# Altium PCB Zynq-Video-Board.PcbDoc (part 2 of 7) (continued)
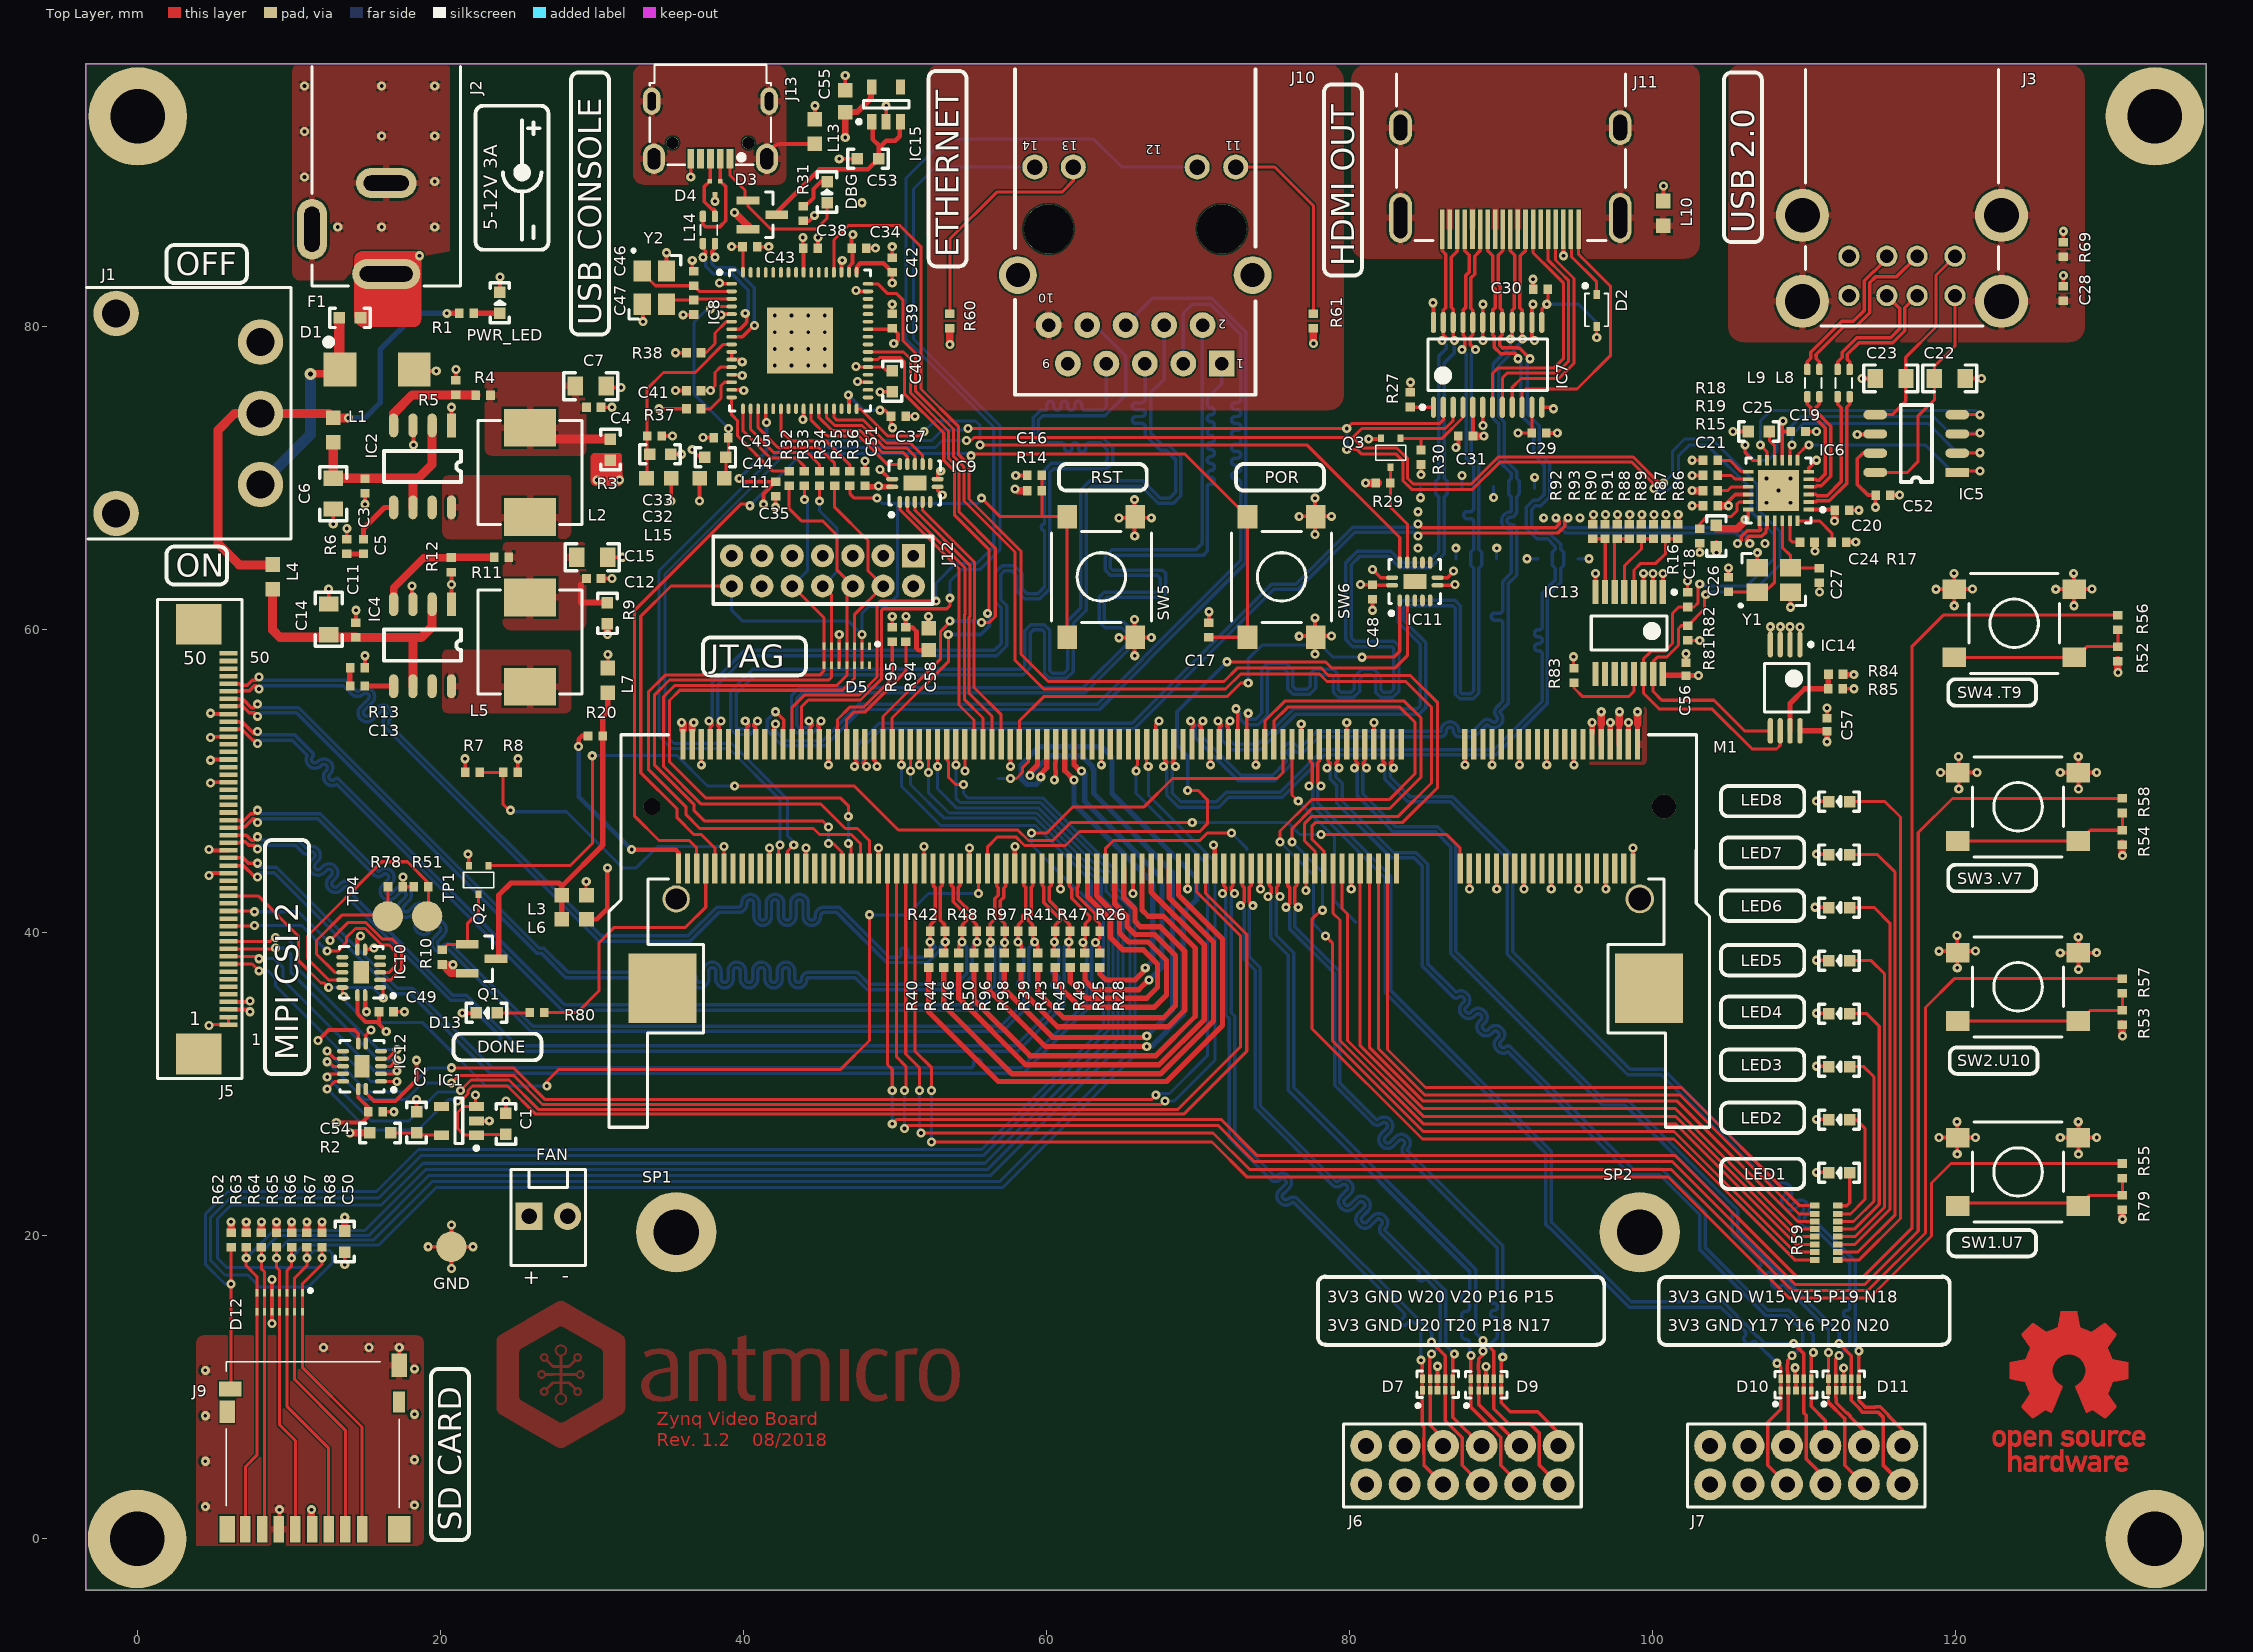
[diagram p0: Top Layer view]
## Nets (pads, with @x,y where several pads share a name; then routed paths per layer and width w, separated by ;. In a path a pad name is that pad's centre, name@x,y a point inside that pad or via, vN(x,y) a via of type N, cw(c..) or ccw(c..) an arc to the next point about the centre after c; other vN are vias at no path point) (continued)
  Bottom Layer w0.23: v1(79.35,50.9) 79.125,50.675 79.125,50.3 79.55,49.875 79.55,48.7 82.95,45.3 84.445,45.3 85.2,44.545 85.2,37.95 87.07,36.08 cw(c87.383,35.64) 87.765,36.022 87.822,35.964 cw(c87.441,35.583) 87.98,35.583 cw(c87.441,35.583) 87.822,35.201 87.701,35.08 ccw(c87.835,34.946) 87.701,34.812 87.758,34.755 ccw(c87.892,34.889) 88.026,34.755 88.147,34.876 cw(c88.529,34.495) 88.91,34.876 88.968,34.819 cw(c88.586,34.437) 89.126,34.437 cw(c88.586,34.437) 88.968,34.056 88.847,33.935 ccw(c88.981,33.801) 88.847,33.667 88.904,33.61 ccw(c89.038,33.744) 89.172,33.61 89.293,33.731 cw(c89.674,33.349) 90.056,33.731 90.113,33.673 cw(c89.732,33.292) 90.271,33.292 cw(c89.732,33.292) 90.113,32.91 89.992,32.789 ccw(c90.126,32.655) 89.992,32.521 90.049,32.464 ccw(c90.183,32.598) 90.317,32.464 cw(c90.502,32.28) 90.686,32.464 98.75,24.4 100.645,24.4 103.5,21.545 103.5,19.25 107.65,15.1 109.045,15.1 110.65,13.495 v1(110.65,12.3)
CN_C3_N: D11.1 J7.8 M1.51 | length 66.9
  Top Layer w0.23: v1(80.35,50.9) 80.575,51.125 80.575,51.2 80.441,51.334 M1.51@80.441,52.449 ; v1(111.65,12.3) D11.1@111.65,10.585 D11.1@111.65,9.815 111.65,9.005 112.681,7.974 112.724,7.974 112.724,4.866 J7.8@113.99,3.6
  Bottom Layer w0.22: 107.111,18.387 cw(c106.905,18.182) 107.111,17.977 ccw(c107.33,17.758) 107.111,17.538 ccw(c107.33,17.758) 107.549,17.538 cw(c107.754,17.333) 107.959,17.538 ; 107.987,17.51 cw(c107.782,17.305) 107.987,17.1 ccw(c108.207,16.881) 107.987,16.662 ccw(c108.207,16.881) 108.426,16.662 cw(c108.631,16.457) 108.836,16.662
  Bottom Layer w0.23: v1(80.35,50.9) 80.56,50.69 80.56,49.037 82.68,46.917 82.68,46.875 82.885,46.67 85.718,46.67 86.7,45.688 86.7,38.655 96.711,28.644 98.211,28.644 105.3,21.555 105.3,20.155 105.505,19.95 105.547,19.95 107.111,18.387 ; 107.938,17.517 107.966,17.489 ; 108.815,16.64 111.65,13.805 v1(111.65,12.3)
CN_C3_P: D11.4 J7.7 M1.49 | length 67.1
  Top Layer w0.23: M1.49@81.041,52.449 81.041,51.334 80.925,51.218 80.925,51.125 v1(81.15,50.9) ; v1(112.35,12.9) 113.15,12.1 113.15,11.513 113.165,11.498 113.165,11.072 113.15,11.057 D11.4@113.15,10.585 D11.4@113.15,9.815 113.15,9.147 113.7,8.597 113.7,8.555 113.905,8.35 114.887,8.35 114.917,8.38 115.25,8.047 115.25,6.669 115.255,6.664 115.255,5.616 115.25,5.611 115.25,4.88 J7.7@116.53,3.6
  Bottom Layer w0.23: v1(81.15,50.9) 80.91,50.66 80.91,49.182 83.03,47.062 83.03,47.02 85.863,47.02 87.05,45.833 87.05,38.8 96.856,28.994 98.356,28.994 105.65,21.7 105.65,20.3 105.692,20.3 107.281,18.712 107.283,18.712 107.359,18.636 107.363,18.64 107.504,18.499 107.504,18.446 108.018,17.932 108.071,17.932 108.212,17.791 108.208,17.787 108.236,17.759 108.24,17.763 108.38,17.623 108.38,17.57 108.895,17.055 108.948,17.055 109.089,16.914 109.085,16.91 109.161,16.834 109.161,16.796 109.188,16.769 109.188,16.762 112.35,13.6 v1(112.35,12.9)
CN_C4_N: D11.2 J7.2 M1.45 | length 66.4
  Top Layer w0.23: v1(82.15,50.9) 82.375,51.125 82.375,51.2 82.241,51.334 M1.45@82.241,52.449 ; v1(112.35,12.1) 112.14,11.89 112.14,11.503 112.135,11.498 112.135,11.072 112.14,11.067 112.14,9.31 112.15,9.3 112.15,9 112.826,8.324 112.869,8.324 113.074,8.119 113.074,8.076 113.99,7.16 J7.2@113.99,6.14
  Bottom Layer w0.23: v1(82.15,50.9) 82.375,50.675 82.375,50.155 83.88,48.65 86.7,48.65 90.45,44.9 90.45,38.605 98.405,30.65 100.6,30.65 108.137,23.113 ccw(c108.321,23.297) 108.506,23.113 cw(c108.64,22.979) 108.774,23.113 108.831,23.056 cw(c108.697,22.922) 108.886,22.922 cw(c108.697,22.922) 108.831,22.788 108.71,22.667 ccw(c109.091,22.285) 108.71,21.904 108.767,21.846 ccw(c109.149,22.228) 109.53,21.846 109.651,21.967 cw(c109.785,21.833) 109.919,21.967 109.976,21.91 cw(c109.842,21.776) 110.032,21.776 cw(c109.842,21.776) 109.976,21.642 109.855,21.521 ccw(c110.237,21.14) 109.855,20.758 109.913,20.701 ccw(c110.294,21.082) 110.607,20.643 113.05,18.2 113.05,15.283 cw(c112.857,15.283) 112.857,15.09 ccw(c112.857,14.883) 112.65,14.883 112.65,14.837 ccw(c112.857,14.837) 112.857,14.63 cw(c112.857,14.437) 113.05,14.437 113.05,12.8 v1(112.35,12.1) v1@112.14,11.89
CN_C4_P: D11.5 J7.1 M1.43 | length 66.4
  Top Layer w0.23: M1.43@82.841,52.449 82.841,51.334 82.725,51.218 82.725,51.125 v1(82.95,50.9) ; v1(113.65,12.4) D11.5@113.65,10.585 D11.5@113.65,9.815 113.65,9.142 114.05,8.742 114.05,8.7 114.742,8.7 114.772,8.73 115.062,8.73 115.6,8.192 115.6,8.15 116.53,7.22 J7.1@116.53,6.14
  Bottom Layer w0.23: v1(82.95,50.9) 82.725,50.675 82.725,50.3 84.025,49 86.845,49 90.8,45.045 90.8,38.75 98.55,31 100.745,31 108.327,23.418 cw(c108.64,22.979) 109.021,23.36 109.078,23.303 cw(c108.697,22.922) 109.236,22.922 cw(c108.697,22.922) 109.078,22.54 108.957,22.419 ccw(c109.091,22.285) 108.957,22.151 109.015,22.094 ccw(c109.149,22.228) 109.283,22.094 109.404,22.215 cw(c109.785,21.833) 110.167,22.215 110.224,22.158 cw(c109.842,21.776) 110.382,21.776 cw(c109.842,21.776) 110.224,21.395 110.103,21.274 ccw(c110.237,21.14) 110.103,21.006 110.16,20.948 ccw(c110.294,21.082) 110.428,20.948 cw(c110.612,20.764) 110.797,20.948 113.4,18.345 113.4,12.65 v1(113.65,12.4)
DBG_USB_D_C_N: D4.1 J13.2 L14.4 | length 6.7
  Top Layer w0.23: L14.4@37.35,87.5 37.35,86.8 37.55,86.6 38.45,86.6 38.85,87 38.85,89.275 D4.1@38.5,89.625 J13.2@38.5,91.1
DBG_USB_D_C_P: D4.2 J13.3 L14.3 | length 4.2
  Top Layer w0.23: J13.3@37.85,91.1 37.85,89.675 D4.2@37.8,89.625 37.45,89.275 37.45,88.272 37.937,87.785 38.065,87.785 38.15,87.7 L14.3@38.15,87.4
DBG_USB_D_N: IC8.7 L14.1 | length 8.4
  Top Layer w0.23: L14.1@37.35,85.7 37.35,85.2 37.55,85 v1@37.55,84.817 ; IC8.7@39.25,79.85 39.75,79.85 ; 39.8,79.85 40.215,80.265 40.215,80.322 40.25,80.357 v1@40.25,80.8
  Bottom Layer w0.23: v1(37.35,84.6) 37.55,84.4 37.55,84 38.041,83.509 39.276,83.509 40.35,82.434 40.35,81.1 v1(40.15,80.9)
DBG_USB_D_P: IC8.8 L14.2 | length 9.1
  Top Layer w0.23: v1@37.95,84.817 37.95,85 38.15,85.2 L14.2@38.15,85.7 ; IC8.8@39.25,79.35 39.966,79.35 v1@40.65,80.034
  Bottom Layer w0.23: v1(38.15,84.6) 37.95,84.4 37.95,84.166 38.207,83.909 39.441,83.909 40.75,82.6 40.75,81.9 v1(40.75,80.1)
ETH_A_N: J10.2 M1.169 | length 65.5
  Top Layer w0.23: M1.169@45.041,52.449 45.041,53.564 44.925,53.68 44.925,53.775 v1(45.15,54)
  Bottom Layer w0.23: v1(45.15,54) 44.925,53.775 44.925,53.535 44.59,53.2 43.55,53.2 43.2,53.55 43.2,53.955 43.2,55.645 43.303,55.747 43.755,56.2 62.45,56.2 65.45,59.2 65.45,59.7 65,60.15 63.905,60.15 63.5,60.555 63.5,62.145 63.855,62.5 67.45,62.5 67.55,62.6 67.55,63.4 67.35,63.6 64.255,63.6 63.9,63.955 63.9,64.845 64.353,65.297 69.897,65.297 70.3,65.7 70.3,80.089 J10.2@70.335,80.124
ETH_A_P: J10.1 M1.171 | length 65.9
  Top Layer w0.23: v1(44.35,54) 44.575,53.775 44.575,53.698 44.441,53.564 M1.171@44.441,52.449
  Bottom Layer w0.23: v1(44.35,54) 44.575,53.775 44.575,53.68 44.445,53.55 43.695,53.55 43.55,53.695 43.55,55.5 43.9,55.85 62.595,55.85 65.8,59.055 65.8,59.845 65.145,60.5 64.05,60.5 63.85,60.7 63.85,62 64,62.15 67.7,62.15 67.9,62.35 67.9,63.75 67.7,63.95 64.4,63.95 64.25,64.1 64.25,64.7 64.497,64.947 70.397,64.947 70.65,65.2 70.65,69.5 cw(c70.76,69.5) 70.76,69.61 70.89,69.61 ccw(c70.89,69.84) 71.12,69.84 ccw(c70.89,69.84) 70.89,70.07 70.88,70.07 cw(c70.88,70.3) 70.65,70.3 cw(c70.88,70.3) 70.88,70.53 70.89,70.53 ccw(c70.89,70.76) 71.12,70.76 ccw(c70.89,70.76) 70.89,70.99 70.88,70.99 cw(c70.88,71.22) 70.65,71.22 cw(c70.88,71.22) 70.88,71.45 70.89,71.45 ccw(c70.89,71.68) 71.12,71.68 ccw(c70.89,71.68) 70.89,71.91 70.88,71.91 cw(c70.88,72.14) 70.65,72.14 cw(c70.88,72.14) 70.88,72.37 70.89,72.37 ccw(c70.89,72.6) 71.12,72.6 ccw(c70.89,72.6) 70.89,72.83 70.88,72.83 cw(c70.88,73.06) 70.65,73.06 cw(c70.88,73.06) 70.88,73.29 70.89,73.29 ccw(c70.89,73.52) 71.12,73.52 ccw(c70.89,73.52) 70.89,73.75 70.88,73.75 cw(c70.88,73.98) 70.65,73.98 cw(c70.88,73.98) 70.88,74.21 70.89,74.21 ccw(c70.89,74.44) 71.12,74.44 ccw(c70.89,74.44) 70.89,74.67 70.88,74.67 cw(c70.88,74.9) 70.65,74.9 70.65,75.3 71.605,76.255 J10.1@71.605,77.584
ETH_B_N: J10.6 M1.177 | length 65.7
  Top Layer w0.23: v1(42.15,54.6) 42.685,54.065 42.685,53.578 42.65,53.543 42.65,52.458 M1.177@42.641,52.449
  Bottom Layer w0.23: v1(42.15,54.6) 41.615,54.065 41.615,53.34 42.455,52.5 42.605,52.35 45.4,52.35 45.55,52.5 47.8,54.75 63.533,54.75 66.725,57.942 66.725,57.98 73.2,64.455 73.2,79.65 70.95,81.9 67.031,81.9 J10.6@65.255,80.124
ETH_B_P: J10.3 M1.179 | length 65.7
  Top Layer w0.23: M1.179@42.041,52.449 42.041,53.691 v1(42.15,53.8)
  Bottom Layer w0.23: v1(42.15,53.8) 42.15,53.3 42.75,52.7 45.255,52.7 47.655,55.1 63.388,55.1 66.375,58.087 66.375,58.125 72.85,64.6 72.85,69.72 ccw(c72.62,69.72) 72.62,69.95 72.48,69.95 cw(c72.48,70.18) 72.25,70.18 cw(c72.48,70.18) 72.48,70.41 72.62,70.41 ccw(c72.62,70.64) 72.85,70.64 ccw(c72.62,70.64) 72.62,70.87 72.48,70.87 cw(c72.48,71.1) 72.25,71.1 cw(c72.48,71.1) 72.48,71.33 72.62,71.33 ccw(c72.62,71.56) 72.85,71.56 ccw(c72.62,71.56) 72.62,71.79 72.48,71.79 cw(c72.48,72.02) 72.25,72.02 cw(c72.48,72.02) 72.48,72.25 72.62,72.25 ccw(c72.62,72.48) 72.85,72.48 ccw(c72.62,72.48) 72.62,72.71 72.48,72.71 cw(c72.48,72.94) 72.25,72.94 cw(c72.48,72.94) 72.48,73.17 72.62,73.17 ccw(c72.62,73.4) 72.85,73.4 ccw(c72.62,73.4) 72.62,73.63 72.48,73.63 cw(c72.48,73.86) 72.25,73.86 cw(c72.48,73.86) 72.48,74.09 72.62,74.09 ccw(c72.62,74.32) 72.85,74.32 ccw(c72.62,74.32) 72.62,74.55 72.48,74.55 cw(c72.48,74.78) 72.25,74.78 cw(c72.48,74.78) 72.48,75.01 72.62,75.01 ccw(c72.62,75.24) 72.85,75.24 72.85,79.505 70.855,81.5 69.65,81.5 69.065,80.915 J10.3@69.065,77.584
ETH_C_N: J10.5 M1.183 | length 66.6
  Top Layer w0.23: M1.183@40.841,52.449 40.841,53.564 40.716,53.689 40.716,53.766 v1(40.95,54)
  Bottom Layer w0.23: v1(40.95,54) 40.725,53.775 40.725,53.38 40.445,53.1 39.555,53.1 39.2,53.455 39.2,55.945 40.655,57.4 58.35,57.4 58.595,57.645 58.595,59.94 59.005,60.35 59.895,60.35 60.25,59.995 60.25,57.3 60.4,57.15 61.2,57.15 61.447,57.397 61.447,60.597 61.55,60.7 62.3,61.45 62.3,69.245 62.905,69.85 66.4,69.85 67.15,69.1 67.55,68.7 68.15,68.7 68.55,69.1 68.55,71.25 67.95,71.85 67.555,71.85 66.55,72.855 66.55,73.4 ccw(c66.32,73.4) 66.32,73.63 65.93,73.63 cw(c65.93,73.86) 65.7,73.86 cw(c65.93,73.86) 65.93,74.09 66.32,74.09 ccw(c66.32,74.32) 66.55,74.32 ccw(c66.32,74.32) 66.32,74.55 65.93,74.55 cw(c65.93,74.78) 65.7,74.78 cw(c65.93,74.78) 65.93,75.01 66.32,75.01 ccw(c66.32,75.24) 66.55,75.24 66.55,77.559 J10.5@66.525,77.584
ETH_C_P: J10.4 M1.185 | length 65.8
  Top Layer w0.23: v1(40.15,54) 40.366,53.784 40.366,53.689 40.241,53.564 M1.185@40.241,52.449
  Bottom Layer w0.23: v1(40.15,54) 40.375,53.775 40.375,53.525 40.3,53.45 39.7,53.45 39.55,53.6 39.55,55.8 40.8,57.05 58.495,57.05 58.945,57.5 58.945,59.795 59.15,60 59.75,60 59.9,59.85 59.9,57.155 60.255,56.8 61.345,56.8 61.797,57.253 61.797,60.453 62.65,61.305 62.65,69.1 63.05,69.5 66.255,69.5 67.005,68.75 67.303,68.453 67.405,68.35 68.4,68.35 68.9,68.85 68.9,71.395 68.095,72.2 67.7,72.2 66.9,73 66.9,75.65 67.795,76.545 J10.4@67.795,80.124
ETH_D_N: J10.8 M1.191 | length 65.8
  Top Layer w0.23: M1.191@38.441,52.449 38.441,53.564 38.325,53.68 38.325,53.775 v1(38.55,54)
  Bottom Layer w0.23: v1(38.55,54) 38.325,54.225 38.325,56.375 40.25,58.3 56.745,58.3 57.4,58.955 57.4,61.6 57,62 57,63.65 57.25,63.9 57.755,63.9 58.078,63.578 58.078,62.572 58.6,62.05 59.595,62.05 60.25,62.705 60.25,70.4 60.5,70.65 63.995,70.65 64.4,71.055 64.4,72.045 63.745,72.7 59.745,72.7 59.5,72.945 59.5,73.855 59.79,74.145 63.89,74.145 65.25,75.505 65.25,78.1 63.226,80.124 J10.8@62.715,80.124
ETH_D_P: J10.7 M1.193 | length 65.9
  Top Layer w0.23: v1(37.75,54) 37.975,53.775 37.975,53.698 37.841,53.564 M1.193@37.841,52.449
  Bottom Layer w0.23: v1(37.75,54) 37.975,54.225 37.975,56.52 40.003,58.547 40.105,58.65 56.6,58.65 57.05,59.1 57.05,61.455 56.703,61.803 56.65,61.855 56.65,63.795 56.703,63.847 56.703,63.853 56.997,64.147 57.003,64.147 57.105,64.25 57.9,64.25 58.428,63.722 58.428,62.717 58.745,62.4 59.45,62.4 59.9,62.85 59.9,66.55 cw(c59.9,66.75) 59.7,66.75 59.7,66.81 cw(c59.9,66.81) 59.9,67.01 59.9,70.545 60.355,71 63.85,71 64.05,71.2 64.05,71.9 63.6,72.35 62.85,72.35 ccw(c62.85,72.12) 62.62,72.12 62.62,71.98 cw(c62.39,71.98) 62.39,71.75 cw(c62.39,71.98) 62.16,71.98 62.16,72.12 ccw(c61.93,72.12) 61.93,72.35 ccw(c61.93,72.12) 61.7,72.12 61.7,71.98 cw(c61.47,71.98) 61.47,71.75 cw(c61.47,71.98) 61.24,71.98 61.24,72.12 ccw(c61.01,72.12) 61.01,72.35 59.6,72.35 59.15,72.8 59.15,74 59.645,74.495 59.95,74.495 ccw(c59.95,74.605) 60.06,74.605 60.06,74.865 cw(c60.29,74.865) 60.29,75.095 cw(c60.29,74.865) 60.52,74.865 60.52,74.725 ccw(c60.75,74.725) 60.75,74.495 ccw(c60.75,74.725) 60.98,74.725 60.98,74.865 cw(c61.21,74.865) 61.21,75.095 cw(c61.21,74.865) 61.44,74.865 61.44,74.725 ccw(c61.67,74.725) 61.67,74.495 ccw(c61.67,74.725) 61.9,74.725 61.9,74.865 cw(c62.13,74.865) 62.13,75.095 cw(c62.13,74.865) 62.36,74.865 62.36,74.725 ccw(c62.59,74.725) 62.59,74.495 63.745,74.495 63.985,74.735 J10.7@63.985,77.584
ETH_LED1N: J10.14 M1.173 | length 58.2
  Top Layer w0.2: M1.173@43.841,52.449 43.85,52.458 43.85,54.918 44.312,55.38 46.617,55.38 47.754,55.38 49.15,56.776 49.15,61.3 49.25,61.4 53.45,61.4 53.65,61.6 v1(53.65,62.1)
  Bottom Layer w0.2: v1(53.65,62.1) 53.65,63.2 54.45,64 55.65,64 56.95,65.3 56.95,73.5 51.25,79.2 51.25,89.1 52.704,90.554 J10.14@59.26,90.554
ETH_LED2N: J10.12 M1.175 | length 71.4
  Top Layer w0.2: M1.175@43.241,52.449 43.241,54.891 44.05,55.7 46.7,55.7 ; 46.75,55.7 47.65,55.7 48.85,56.9 48.85,61.7 49.05,61.9 v1(52.75,61.9)
  Bottom Layer w0.2: v1(52.75,61.9) 52.75,63.1 54.05,64.4 55.45,64.4 56.55,65.5 56.55,73.4 50.75,79.2 50.75,89.8 53.35,92.4 63.15,92.4 64.996,90.554 J10.12@69.98,90.554
FPGA_DONE: M1.194 R80.2 | length 18
  Top Layer w0.2: R80.2@26.86,34.74 29.05,34.74 30.49,36.18 30.49,39.36 31.5,40.37 36.21,40.37 37.541,41.701 M1.194@37.541,44.249
GND: C1.1 C2.1 C3.1 C4.1 C6.1 C7.1 C11.1 C12.1 C14.1 C15.1 C16.1 C17.1 C18.1 C19.1 C20.1 C21.1 C22.1 C23.1 C24.1 C25.1 C26.1 C27.1 C28.1 C29.2 C30.2 C31.2 C32.2 C33.1 C34.1 C35.1 C37.1 C38.1 C39.1 C40.2 C41.1 C42.1 C43.1 C44.2 C45.1 C46.1 C47.1 C48.2 C49.2 C50.1 C51.2 C52.1 C53.1 C54.2 C55.1 C56.1 C57.1 C58.1 D1.A D4.3 D5.5 D5.10 D7.3 D9.3 D10.3 D11.3 D12.5 D12.10 D13.K FAN.2 GND.1 IC1.2 IC2.1 IC2.3 IC4.1 IC4.3 IC5.6 IC6.6 IC6.T IC7.6 IC7.14 IC7.19 IC8.10 IC8.13 IC8.GND IC9.7 IC10.7 IC11.7 IC12.7 IC13.1 IC13.2 IC13.3 IC13.8 IC14.1 IC14.2 IC14.3 IC14.4 IC15.2 J1.3 J2.2 J2.3 J3.L4 J3.U4 J5.21 J5.24 J5.33 J5.36 J5.39 J5.42 J6.5 J6.11 J7.5 J7.11 J9.6 J9.10 J10.10 J11.17 J12.1 J12.3 J12.5 J12.7 J12.9 J12.11 J12.13 J13.5 L10.1 L13.2 LED1.K LED2.K LED3.K LED4.K LED5.K LED6.K LED7.K LED8.K M1.2 M1.8 M1.14 M1.15 M1.20 M1.21 M1.26 M1.27 M1.32 M1.33 M1.38 M1.39 M1.47 M1.52 M1.63 M1.72 M1.83 M1.88 M1.95 M1.100 M1.107 M1.116 M1.127 M1.136 M1.147 M1.156 M1.157 M1.167 M1.172 M1.180 M1.195 pad.1 pad.3 PWR_LED.K Q2.2 Q3.2 R5.1 R6.1 R8.2 R12.1 R13.1 R16.2 R17.1 R18.2 R19.2 R27.1 R30.1 R31.1 R38.1 R51.1 R69.1 R78.1 R85.1 R87.2 R89.2 R91.2 R93.2 R95.1 SP1.1 SP2.1 SW1.3 SW1.4 SW2.3 SW2.4 SW3.3 SW3.4 SW4.3 SW4.4 SW5.3 SW5.4 SW6.3 SW6.4 TP11.1 Y1.2 Y1.4 Y2.2 Y2.4 | length 203.3
  Top Layer w0.2: R93.2@96.93,67.01 v1(96.93,67.63) ; R91.2@98.53,67.01 v1(98.53,67.63) ; R89.2@100.13,67.01 v1(100.13,67.63) ; R87.2@100.93,67.01 v1(100.93,67.63)
  Top Layer w0.25: v1(4.75,43.8) 4.9,43.95 J5.21@6.04,43.95 ; v1(4.75,45.5) 4.8,45.45 J5.24@6.04,45.45 ; v1(4.85,49.9) 4.9,49.95 J5.33@6.04,49.95 ; v1(4.85,51.4) 4.9,51.45 J5.36@6.04,51.45 ; v1(4.85,52.9) 4.9,52.95 J5.39@6.04,52.95 ; v1@4.85,54.4 4.9,54.45 J5.42@6.04,54.45 ; v1(8.909,14.224) 8.909,14.729 D12.10@8.909,15.004 D12.5@8.909,16.254 ; D12.5@8.909,16.409 v1(8.909,17.134) ; J9.6@9.409,1.209 v1(9.409,1.934) ; C14.1@12.65,61.88 v1(12.65,62.7) ; v1(12.95,67) C6.1@12.95,67.82 ; v1(13.709,18.124) C50.1@13.709,18.849 ; R6.1@13.85,65.88 R6.1@13.85,65.98 v1(13.85,66.7) ; C11.1@14.45,60.48 v1(14.45,61.3) ; IC10.7@15.05,38.925 15.626,38.925 v1@15.65,38.901 ; R13.1@15.05,57.48 v1(15.05,58.3) ; v1(15.05,68.3) C3.1@15.05,69.02 C3.1@15.05,69.12 ; IC12.7@15.1,32.7 15.1,33.25 v1(15.45,33.6) ; C54.2@16.23,28.2 v1(16.95,28.2) ; C49.2@16.93,34.8 v1(17.65,34.8) ; J9.10@17.309,11.909 v1(17.309,12.634) ; R78.1@17.53,43.05 R78.1@17.55,43.05 ; v1(17.55,43.7) R78.1@17.55,43.05 ; IC4.3@18.15,62.08 v1(18.15,62.9) ; v1(18.25,72.2) IC2.3@18.25,73.02 ; R51.1@18.27,43.05 R78.1@17.55,43.05 ; C2.1@18.45,28.25 v1(18.45,29) ; D1.A@18.93,77.1 v1(19.75,77.1) ; v1(19.216,19.286) GND.1@20.036,19.286 ; v1(20.75,17.853) GND.1@20.75,18.673 ; GND.1@20.75,19.9 v1(20.75,20.72) ; IC4.1@20.75,61.7 v1(20.75,63) R12.1@20.75,63.82 ; IC2.1@20.75,73.88 v1(20.75,74.7) ; R5.1@21.05,76.38 R5.1@21.05,76.48 v1(21.05,77.2) ; GND.1@21.364,19.286 v1(22.184,19.286) ; v1(21.47,34.71) D13.K@22.19,34.71 ; v1(21.85,45.2) 21.9,45.15 Q2.2@21.9,44.45 ; IC1.2@22.5,27.6 v1(23.25,27.6) ; PWR_LED.K@23.95,82.48 v1(23.95,83.3) ; C1.1@24.35,28.15 v1(24.35,28.9) ; R8.2@25.13,50.6 25.13,51.48 v1(25.15,51.5) ; C12.1@30.53,63.4 v1(31.35,63.4) ; C4.1@30.53,74.7 C4.1@30.63,74.7 v1(31.35,74.7) ; C7.1@31.13,76 v1(31.95,76) ; C15.1@31.23,64.8 v1(32.05,64.8) ; v1(33.4,80.35) Y2.4@33.4,81.17 ; C33.1@34.63,72.8 v1@35.25,72.8 ; Y2.2@34.95,84.08 v1(34.95,84.9) ; C32.2@35.25,71.6 v1(35.95,71.6) ; v1(35.55,75.8) C41.1@36.27,75.8 C41.1@36.37,75.8 ; v1(35.55,78.3) R38.1@36.27,78.3 R38.1@36.37,78.3 ; v1(36.05,80.8) C47.1@36.87,80.8 ; v1(36.55,89.9) J13.5@36.55,91.1 ; v1(36.65,71.9) 37.15,71.4 C44.2@37.471,71.4 ; C46.1@36.65,83.78 v1(36.65,84.4) ; v1(37.25,51.1) M1.195@37.25,51.92 ; v1(37.35,72.7) C45.1@38.07,72.7 C45.1@38.17,72.7 ; v1(38.15,88.3) D4.3@38.15,88.775 ; v1(38.45,82.9) 38.5,82.85 IC8.GND@39.25,82.85 ; v1(38.55,80.8) 38.6,80.85 IC8.GND@39.25,80.85 ; IC8.GND@39.25,75.85 40,75.85 v1(40.05,75.8) ; IC8.13@39.25,76.85 39.9,76.85 v1(39.95,76.8) ; IC8.10@39.25,78.35 IC8.GND@39.25,77.85 39.9,77.85 39.95,77.9 v1(39.95,77.7) ; C43.1@40.98,85.3 v1(41.7,85.3) ; M1.180@41.75,44.78 v1(41.75,45.6) ; v1(42.15,68.1) C35.1@42.15,68.82 ; v1(43.95,73.9) 44,73.95 IC8.GND@44,74.6 ; R31.1@43.965,87.001 44.346,87.001 v1(44.714,87.369) ; M1.172@44.15,44.78 v1(44.15,45.6) ; L13.2@44.75,93.715 v1(44.75,94.6) ; C38.1@44.83,85.2 C38.1@44.93,85.2 44.95,85.22 v1(44.95,85.9) ; v1(45.65,51.1) M1.167@45.65,51.92 ; D5.10@46.35,57.675 D5.5@46.35,58.925 ; D5.5@46.35,58.98 v1(46.35,59.705) ; v1(46.35,91.1) C53.1@47.552,91.1 ; IC8.GND@46.5,83.6 46.5,84.35 v1(46.55,84.4) ; C55.1@46.75,95.625 v1(46.75,96.6) ; v1(47.45,82.4) 47.5,82.35 IC8.GND@48.25,82.35 ; v1(47.55,76.4) 47.6,76.35 IC8.GND@48.25,76.35 ; C34.1@48.03,85.2 C34.1@48.13,85.2 v1(48.75,85.2) ; C51.2@48.05,70.48 v1(48.05,71.15) ; M1.157@48.641,52.449 48.641,51.409 48.85,51.2 v1(48.85,51) ; M1.156@48.95,44.78 v1(48.95,45.6) ; v1(49.05,75.7) 49.072,75.722 C40.2@49.85,75.722 C40.2@49.85,75.7 ; IC15.2@49.45,93.55 v1(49.45,94.6) ; R95.1@49.85,60.18 v1(49.85,60.9) ; C39.1@49.85,80.78 C39.1@49.85,80.88 v1(49.85,81.5) ; C42.1@49.85,84.58 v1(49.85,85.3) ; C37.1@50.73,74.1 v1(51.35,74.1) ; v1(51.65,51.1) M1.147@51.65,51.92 ; C58.1@52.25,60.125 v1(52.25,60.9) ; IC9.7@52.85,69.435 52.85,69.2 v1(53.15,68.9) ; M1.136@54.95,44.78 v1(54.95,45.6) ; M1.127@57.641,52.449 57.65,52.44 v1(57.65,51) ; v1(58,70.2) C16.1@58.77,70.2 ; v1(60.95,42.9) M1.116@60.95,43.72 ; v1(63.65,51.1) M1.107@63.65,51.92 ; v1(64.81,59.485) 64.825,59.5 SW5.3@65.45,59.5 ; v1(64.81,67.385) 64.825,67.4 v1@65.025,67.4 ; v1@65.01,67.385 v1@65.025,67.4 ; SW5.3@65.45,59.4 SW5.3@65.45,59.5 ; v1(65.75,42.6) M1.100@65.75,43.72 ; v1@65.85,58.3 SW5.3@65.85,59.12 ; SW5.3@65.85,59.78 v1@65.85,60.6 ; v1@65.85,66.2 SW5.4@65.85,67.02 ; SW5.4@65.85,67.68 v1@65.85,68.5 ; v1(66.95,59.5) SW5.3@65.45,59.5 ; v1@67.15,67.4 v1(66.95,67.4) v1@65.025,67.4 ; M1.95@67.241,52.449 67.241,53.791 v1(67.45,54) ; v1(69.35,42.9) M1.88@69.35,43.72 ; C17.1@70.75,60.38 C17.1@70.75,60.48 v1(70.75,61.2) ; v1(70.85,51.1) M1.83@70.85,51.92 ; v1(74.15,42.9) M1.72@74.15,43.72 ; v1(76.71,59.585) 76.725,59.6 v1(78.85,59.6) ; v1(76.71,67.485) 76.725,67.5 v1(78.85,67.5) ; M1.63@76.841,52.449 76.841,53.791 v1(76.85,53.8) ; v1@77.75,58.4 SW6.3@77.75,59.22 ; SW6.3@77.75,59.88 v1@77.75,60.7 ; v1@77.75,66.3 SW6.4@77.75,67.12 ; SW6.4@77.75,67.78 v1@77.75,68.6 ; v1(80.15,42.9) M1.52@80.15,43.72 ; v1(81.3,72.6) Q3.2@82.12,72.6 ; v1(81.55,61.3) C48.2@81.55,61.97 ; M1.47@81.641,52.449 81.641,53.891 v1(81.65,53.9) ; R27.1@84.05,75.53 R27.1@84.05,75.68 v1(84.05,76.35) ; v1(84.75,70.25) R30.1@84.75,70.92 R30.1@84.75,71.07 ; D7.3@85.85,9.815 D7.3@85.85,10.585 v1(85.85,11.4) ; IC11.7@85.85,62.95 86.95,62.95 v1(87,63) ; v1(87.05,72.05) 87.22,72.22 C31.2@87.22,72.8 ; C31.2@87.05,72.8 C31.2@87.05,72.87 ; v1(87.65,51.1) M1.39@87.65,51.92 ; v1(87.95,42.9) M1.38@87.95,43.72 ; IC7.6@88.825,74.7 88.825,73.525 v1(88.85,73.5) ; v1(88.85,79.1) 88.825,79.125 88.825,81.475 v1(88.85,81.5) ; D9.3@89.05,9.8 D9.3@89.05,10.57 v1(89.05,11.385) ; v1(89.45,51.1) M1.33@89.45,51.92 ; v1(89.75,42.9) M1.32@89.75,43.72 ; v1(91.25,51.1) M1.27@91.25,51.92 ; v1(91.55,42.9) M1.26@91.55,43.72 ; v1@92.075,81.425 92.075,79.175 92.15,79.1 v1(92.25,79.1) ; v1@92.1,81.45 v1(92.15,81.5) ; C30.2@92.15,82.33 v1(92.15,83.15) ; C29.2@92.93,73 C29.2@93.03,73 v1(93.75,73) ; v1(93.05,51.1) M1.21@93.05,51.92 ; v1(93.35,42.9) M1.20@93.35,43.72 ; v1(94.15,84.7) J11.17@94.15,85.42 ; v1(94.85,51.1) M1.15@94.85,51.92 ; v1(95.15,42.9) M1.14@95.15,43.72 ; IC13.8@96.27,63.1 v1(96.27,63.72) ; v1(96.95,42.9) M1.8@96.95,43.72 ; M1.2@98.741,44.249 98.741,45.591 v1(98.75,45.6) ; IC13.3@99.44,63.12 v1(99.44,63.74) ; IC13.2@100.07,63.11 v1(100.07,63.73) ; IC13.1@100.72,63.11 v1(100.72,63.73) ; L10.1@100.75,88.58 v1(100.75,89.3) ; C56.1@102.25,57.81 C56.1@102.25,57.825 v1(102.25,58.43) ; v1(102.65,70.2) R19.2@103.37,70.2 ; v1(102.65,71.2) R18.2@103.37,71.2 ; v1@102.75,68.2 C21.1@103.37,68.2 C21.1@103.47,68.2 ; v1(103.15,65.1) R16.2@103.15,65.72 R16.2@103.15,65.82 ; v1(104.25,65.1) C18.1@104.25,65.501 C18.1@104.25,65.82 ; C26.1@105.05,63.48 v1(105.05,64.1) ; v1(105.35,73.1) C25.1@106.351,73.1 ; Y1.2@106.95,64.48 v1(106.95,65.1) ; IC14.4@107.81,59.59 v1(107.81,60.21) ; IC14.3@108.47,59.59 v1(108.47,60.21) ; IC14.2@109.11,59.59 v1(109.11,60.21) ; v1(109.15,61.5) Y1.4@109.15,62.12 ; D10.3@109.45,10.47 v1@109.45,11.285 ; D10.3@109.502,9.8 D10.3@109.502,10.57 ; IC14.1@109.77,59.58 v1(109.77,60.2) ; C19.1@110.13,73.1 v1(110.85,73.1) ; IC6.6@110.35,70.45 110.35,70.7 v1(110.85,71.2) ; v1(110.75,41.7) LED6.K@111.57,41.7 ; v1(110.75,65.2) C24.1@110.75,65.82 ; v1(110.85,24.2) LED1.K@111.67,24.2 ; v1(110.85,27.7) LED2.K@111.67,27.7 ; v1(110.85,31.2) LED3.K@111.67,31.2 ; v1(110.85,34.7) LED4.K@111.67,34.7 ; v1(110.85,38.2) LED5.K@111.67,38.2 ; v1(110.85,45.2) LED7.K@111.67,45.2 ; v1(110.85,48.7) LED8.K@111.67,48.7 ; v1(111.05,62.5) C27.1@111.05,63.12 ; C57.1@111.56,54.14 v1(111.56,54.84) ; R85.1@112.63,56.12 v1(113.33,56.12) ; D11.3@112.65,9.815 D11.3@112.65,10.585 ; D11.3@112.65,10.47 v1(112.65,11.285) ; R17.1@112.83,65.8 v1(113.45,65.8) ; C20.1@112.93,67.9 C20.1@113.03,67.9 v1(113.65,67.9) ; v1(113.55,72.9) IC5.6@114.27,72.9 ; v1(113.85,76.6) C23.1@114.334,76.6 ; C52.1@115.73,68.9 v1(116.35,68.9) ; v1@118.75,62.7 SW4.4@119.57,62.7 ; v1@118.95,26.5 SW1.4@119.77,26.5 ; v1@118.95,38.8 SW2.4@119.77,38.8 ; v1@119.05,50.6 SW3.4@119.87,50.6 ; v1(119.935,63.74) 119.95,63.725 v1(119.95,61.6) ; v1(120.135,27.54) 120.15,27.525 v1(120.15,25.4) ; v1(120.135,39.84) 120.15,39.825 v1(120.15,37.7) ; SW4.4@120.23,62.7 v1@121.05,62.7 ; v1(120.235,51.64) 120.25,51.625 v1(120.25,49.5) ; SW1.4@120.43,26.5 v1@121.25,26.5 ; SW2.4@120.43,38.8 v1@121.25,38.8 ; SW3.4@120.53,50.6 v1@121.35,50.6 ; C22.1@120.666,76.6 v1(121.75,76.6) ; v1@126.65,62.7 SW4.3@127.47,62.7 ; v1@126.95,26.5 SW1.3@127.77,26.5 ; v1@126.95,38.7 SW2.3@127.77,38.7 ; v1@126.95,50.6 SW3.3@127.77,50.6 ; C28.1@127.15,82.68 v1(127.15,83.4) ; R69.1@127.15,85.6 v1(127.15,86.32) ; v1(127.835,63.74) 127.85,63.725 v1(127.85,61.6) ; SW4.3@128.13,62.7 v1@128.95,62.7 ; v1(128.135,27.54) 128.15,27.525 v1(128.15,25.4) ; v1(128.135,39.74) 128.15,39.725 v1(128.15,37.6) ; v1(128.135,51.64) 128.15,51.625 v1(128.15,49.5) ; SW1.3@128.43,26.5 v1@129.25,26.5 ; SW2.3@128.43,38.7 v1@129.25,38.7 ; SW3.3@128.43,50.6 v1@129.25,50.6
  Bottom Layer w0.25: TP11.1@20.75,19.286 v1(20.75,20.72) ; v1@81.641,53.725 81.65,53.734 v1(81.65,53.9)
  other v1: 4.509,2.129 18.309,2.229 4.509,5.129 18.309,5.229 4.509,8.129 18.309,8.229 4.509,11.129 18.309,11.229 109.45,11.3 12.309,12.629 15.309,12.629 118.95,26.49 126.95,26.49 121.35,26.5 129.35,26.5 126.95,38.69 129.35,38.7 118.95,38.79 121.35,38.8 15.65,39 119.05,50.59 121.45,50.6 126.95,50.59 129.35,50.6 4.85,54.5 65.86,58.3 77.76,58.4 65.85,60.7 77.75,60.8 118.75,62.69 126.65,62.69 121.15,62.7 129.05,62.7 84.55,65.4 107.45,65.7 65.86,66.2 77.76,66.3 92.85,67.4 95.25,67.4 84.55,67.8 102.65,68.2 107.55,68.4 109.15,68.4 65.85,68.6 77.75,68.7 108.35,69.2 107.55,70 109.15,70 35.35,72.8 13.25,86.6 16.15,86.6 19.65,86.6 19.65,89.6 11.05,89.9 16.15,92.6 19.65,92.6 11.05,92.9 11.05,95.9 16.15,95.9 19.65,95.9
  other v2: 42.1,77.45 43.2,77.45 44.3,77.45 45.4,77.45 42.1,78.55 43.2,78.55 44.3,78.55 45.4,78.55 42.1,79.65 43.2,79.65 44.3,79.65 45.4,79.65 42.1,80.75 43.2,80.75 44.3,80.75 45.4,80.75
HDMI_5V_PWR: C30.1 D2.A IC7.13 | length 8
  Top Layer w0.2: IC7.13@92.725,80.3 92.725,81.175 93.13,81.58 C30.1@93.13,82.5 ; v1(96.35,79.3) D2.A@96.35,80.045 D2.A@96.35,80.12
  Bottom Layer w0.2: v1(93.05,81.5) 95.15,81.5 96.35,80.3 v1(96.35,79.3)
HDMI_CEC_3V3: IC7.1 R27.2 | length 1.6
  Top Layer w0.2: R27.2@84.05,74.62 84.13,74.7 IC7.1@85.575,74.7
HDMI_CEC_5V: IC7.7 J11.13 | length 16.7
  Top Layer w0.2: IC7.7@89.475,74.7 89.475,76.925 89.85,77.3 93.555,77.3 94.15,77.895 94.15,82.91 93.818,83.242 93.813,83.242 93.413,83.642 93.408,83.642 92.15,84.9 J11.13@92.15,86.44
HDMI_HPD_3V3: IC7.4 Q3.1 R30.2 | length 6.1
  Top Layer w0.2: Q3.1@83.4,72.65 84.75,72.65 ; R30.2@84.75,71.88 84.75,72.65 ; IC7.4@87.525,74.7 87.525,74.022 86.153,72.65 84.75,72.65
HDMI_HPD_5V: IC7.10 J11.19 | length 17
  Top Layer w0.2: IC7.10@91.425,74.7 91.425,75.675 91.65,75.9 95.05,75.9 97.25,78.1 97.25,82.7 95.15,84.8 J11.19@95.15,86.44
HDMI_SCL_5V: IC7.8 J11.15 | length 16
  Top Layer w0.2: IC7.8@90.125,74.7 90.125,76.64 90.435,76.95 93.7,76.95 94.5,77.75 94.5,83.055 93.963,83.592 93.958,83.592 93.15,84.4 J11.15@93.15,86.44
HDMI_SDA_5V: IC7.9 J11.16 | length 15.4
  Top Layer w0.2: IC7.9@90.775,74.7 90.775,76.025 91.35,76.6 93.85,76.6 94.85,77.6 94.85,83.2 93.625,84.425 93.625,86.415 J11.16@93.65,86.44